# Altium PCB BE200.PcbDoc (part 4 of 6)
Units mm, origin at the board's own origin, x right, y up, seen from the top; angles counter-clockwise.
Board outline 91.25 x 134.75 mm, 4 copper layers (Top Layer, Mid-Top Layer, Mid-Bottom Layer, Bottom Layer); 574 components, 120 nets, 2403 pads, 3712 vias.
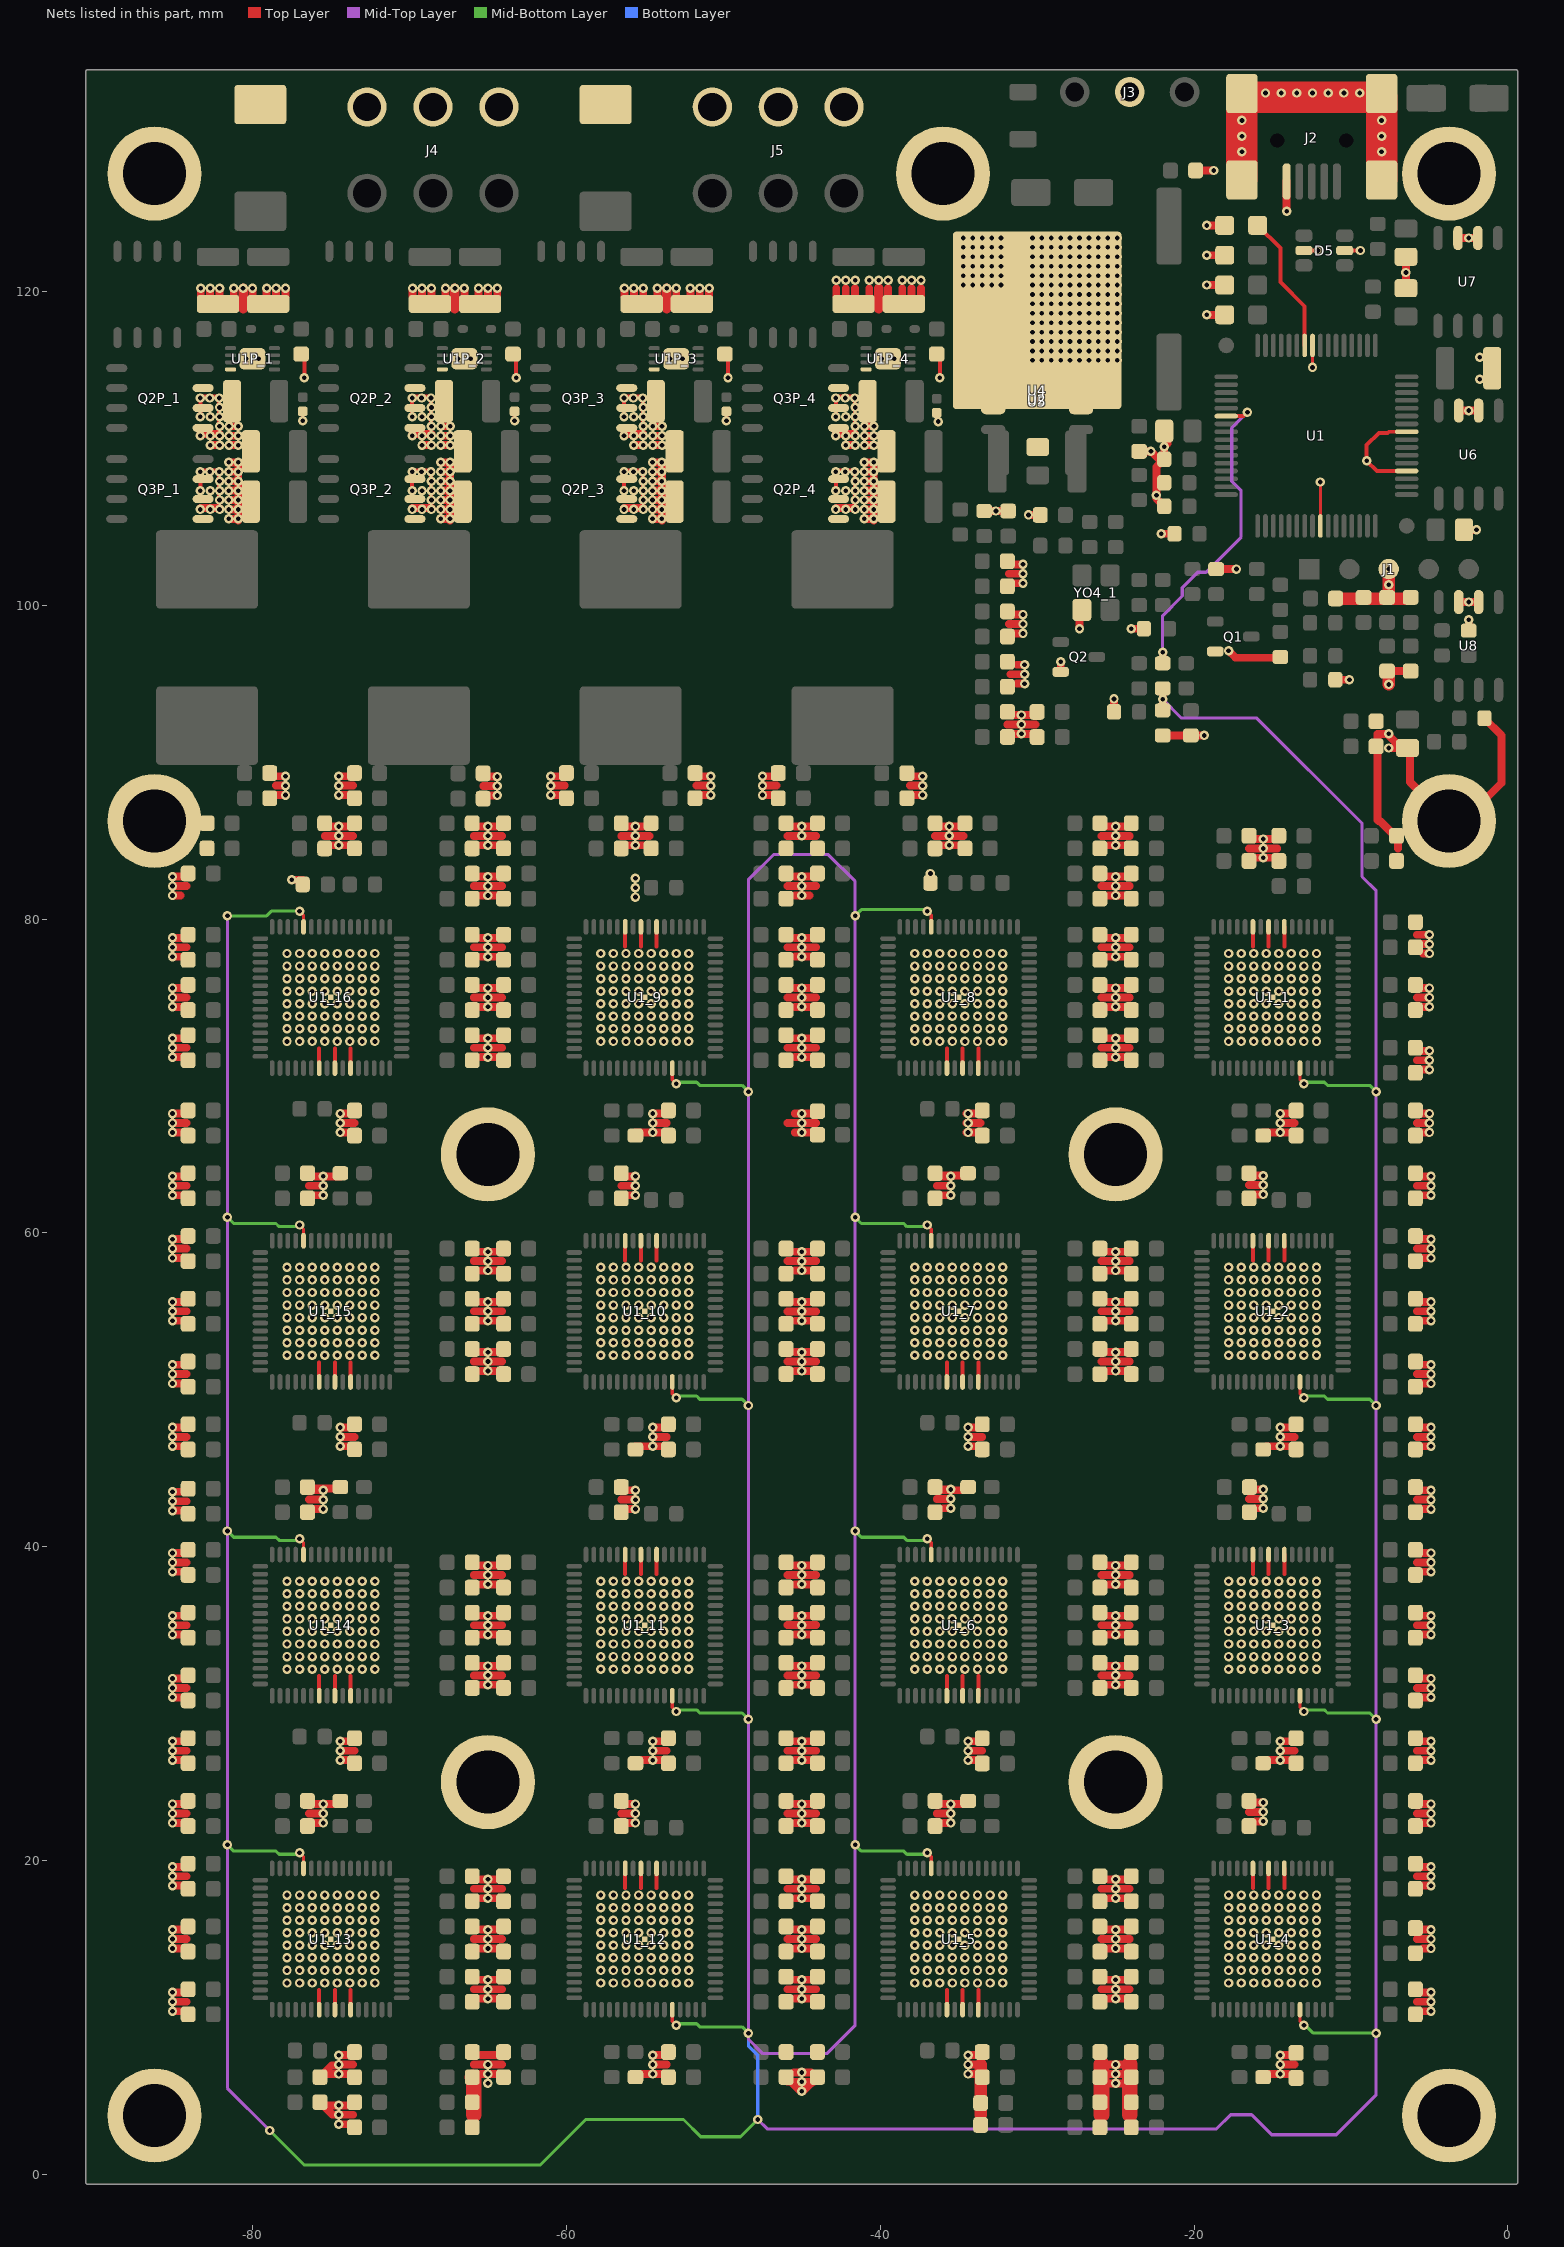
[diagram p6: the nets of this part, all layers, seen from the top]

## Via types
v1: diameter 0.6, hole 0.3, Top Layer to Bottom Layer, tented both sides, 3679 vias
v2: diameter 0.6/0.6/0.6/0.6 (per signal layer), hole 0.3, Top Layer to Bottom Layer, 33 vias

## Nets (pads, with @x,y where several pads share a name; then routed paths per layer and width w, separated by ;. In a path a pad name is that pad's centre, name@x,y a point inside that pad or via, vN(x,y) a via of type N, cw(c..) or ccw(c..) an arc to the next point about the centre after c; other vN are vias at no path point) (continued)
GND: C1.2 C1_1.1 C1_2.1 C1_3.1 C1_4.1 C1_5.1 C1_6.1 C1_7.1 C1_8.1 C1_9.1 C1_10.1 C1_11.1 C1_12.1 C1_13.1 C1_14.1 C1_15.1 C1_16.1 C1P_1.1 C1P_2.1 C1P_3.1 C1P_4.1 C2.2 C2_1.1 C2_2.1 C2_3.1 C2_4.1 C2_5.1 C2_6.1 C2_7.1 C2_8.1 C2_9.1 C2_10.1 C2_11.1 C2_12.1 C2_13.1 C2_14.1 C2_15.1 C2_16.1 C2P_1.2 C2P_2.2 C2P_3.2 C2P_4.2 C3.2 C3_1.1 C3_2.1 C3_3.1 C3_4.1 C3_5.1 C3_6.1 C3_7.1 C3_8.1 C3_9.1 C3_10.1 C3_11.1 C3_12.1 C3_13.1 C3_14.1 C3_15.1 C3_16.1 C4.2 C4_1.1 C4_2.1 C4_3.1 C4_4.1 C4_5.1 C4_6.1 C4_7.1 C4_8.1 C4_9.1 C4_10.1 C4_11.1 C4_12.1 C4_13.1 C4_14.1 C4_15.1 C4_16.1 C4P_1.2 C4P_2.2 C4P_3.2 C4P_4.2 C5_1.1 C5_2.1 C5_3.1 C5_4.1 C5_5.1 C5_6.1 C5_7.1 C5_8.1 C5_9.1 C5_10.1 C5_11.1 C5_12.1 C5_13.1 C5_14.1 C5_15.1 C5_16.1 C5P_1.2 C5P_2.2 C5P_3.2 C5P_4.2 C6_1.1 C6_2.1 C6_3.1 C6_4.1 C6_5.1 C6_6.1 C6_7.1 C6_8.1 C6_9.1 C6_10.1 C6_11.1 C6_12.1 C6_13.1 C6_14.1 C6_15.1 C6_16.1 C6P_1.2 C6P_2.2 C6P_3.2 C6P_4.2 C7.2 C7_1.1 C7_2.1 C7_3.1 C7_4.1 C7_5.1 C7_6.1 C7_7.1 C7_8.1 C7_9.1 C7_10.1 C7_11.1 C7_12.1 C7_13.1 C7_14.1 C7_15.1 C7_16.1 C7P_1.2 C7P_2.2 C7P_3.2 C7P_4.2 C8.2 C8_1.1 C8_2.1 C8_3.1 C8_4.1 C8_5.1 C8_6.1 C8_7.1 C8_8.1 C8_9.1 C8_10.1 C8_11.1 C8_12.1 C8_13.1 C8_14.1 C8_15.1 C8_16.1 C8P_1.2 C8P_2.2 C8P_3.2 C8P_4.2 C9.2 C9_1.1 C9_2.1 C9_3.1 C9_4.1 C9_5.1 C9_6.1 C9_7.1 C9_8.1 C9_9.1 C9_10.1 C9_11.1 C9_12.1 C9_13.1 C9_14.1 C9_15.1 C9_16.1 C10.2 C10_1.1 C10_2.1 C10_3.1 C10_4.1 C10_5.1 C10_6.1 C10_7.1 C10_8.1 C10_9.1 C10_10.1 C10_11.1 C10_12.1 C10_13.1 C10_14.1 C10_15.1 C10_16.1 C11.2 C11_1.1 C11_2.1 C11_3.1 C11_4.1 C11_5.1 C11_6.1 C11_7.1 C11_8.1 C11_9.1 C11_10.1 C11_11.1 C11_12.1 C11_13.1 C11_14.1 C11_15.1 C11_16.1 C12.2 C12_1.1 C12_2.1 C12_3.1 C12_4.1 C12_5.1 C12_6.1 C12_7.1 C12_8.1 C12_9.1 C12_10.1 C12_11.1 C12_12.1 C12_13.1 C12_14.1 C12_15.1 C12_16.1 C13.2 C13_1.1 C13_2.1 C13_3.1 C13_4.1 C13_5.1 C13_6.1 C13_7.1 C13_8.1 C13_9.1 C13_10.1 C13_11.1 C13_12.1 C13_13.1 C13_14.1 C13_15.1 C13_16.1 C14.2 C14_1.1 C14_2.1 C14_3.1 C14_4.1 C14_5.1 C14_6.1 C14_7.1 C14_8.1 C14_9.1 C14_10.1 C14_11.1 C14_12.1 C14_13.1 C14_14.1 C14_15.1 C14_16.1 C15.2 C15_1.1 C15_2.1 C15_3.1 C15_4.1 C15_5.1 C15_6.1 C15_7.1 C15_8.1 C15_9.1 C15_10.1 C15_11.1 C15_12.1 C15_13.1 C15_14.1 C15_15.1 C15_16.1 C16.2 C16_1.1 C16_2.1 C16_3.1 C16_4.1 C16_5.1 C16_6.1 C16_7.1 C16_8.1 C16_9.1 C16_10.1 C16_11.1 C16_12.1 C16_13.1 C16_14.1 C16_15.1 C16_16.1 C17.2 C25.1 C26.2 CPP_1.1 CPP_2.1 CPP_3.1 CPP_4.1 CPP_5.1 CPP_6.1 CPP_7.1 CPP_8.1 CPP_9.1 CPP_10.1 CPP_11.1 CPP_12.1 CPP_13.1 CPP_14.1 CPP_15.1 CPP_16.1 CPP_17.1 CPP_18.1 CPP_19.1 CPP_20.1 CPP_21.1 CPP_22.1 CPP_23.1 CPP_24.1 CPP_25.1 CPP_26.1 CPP_27.1 CPP_28.1 CPP_29.1 CPP_30.1 CPP_31.1 CPP_32.1 CPP_33.1 CPP_34.1 CPP_35.1 CPP_36.1 CPP_37.1 CPP_38.1 CPP_39.1 CPP_40.1 CPP_41.1 CPP_42.1 CPP_43.1 CPP_44.1 CPP_45.1 CPP_46.1 CPP_47.1 CPP_48.1 CPP_49.1 CPP_50.1 CPP_51.1 CPP_52.1 CPP_53.1 CPP_54.1 CPP_55.1 CPP_56.1 CPP_57.1 CPP_58.1 CPP_59.1 CPP_60.1 CPP_61.1 CPP_62.1 CPP_63.1 CPP_64.1 CPP_65.1 CPP_66.1 CPP_67.1 CPP_68.1 CPP_69.1 CPP_70.1 CPP_71.1 CPP_72.1 CPP_73.1 CPP_74.1 CPP_75.1 CPP_76.1 CPP_77.1 CPP_78.1 CPP_79.1 CPP_80.1 CPP_81.1 CPP_82.1 CPP_83.1 CPP_84.1 CPP_85.1 CPP_86.1 CPP_87.1 CPP_88.1 CPP_89.1 CPP_90.1 CPP_91.1 CPP_92.1 CPP_93.1 CPP_94.1 CPP_95.1 CPP_96.1 CPP_97.1 CPP_98.1 CPP_99.1 CPP_100.1 CPP_101.1 CPP_102.1 CPP_103.1 CPP_104.1 CPP_105.1 CPP_106.1 CPP_107.1 CPP_108.1 CPP_109.1 CPP_110.1 CPP_111.1 CPP_112.1 CPP_113.1 CPP_114.1 CPP_115.1 CPP_116.1 CPP_117.1 CPP_118.1 CPP_119.1 CPP_120.1 D1.1 D2.1 D3.1 D4.1 D5.2 D5.5 D6.2 D10.2 J1.3 J2.5 J2.6 J2.7 J2.8 J2.9 J3.2 J4.4 J4.5 J4.6 J5.4 J5.5 J5.6 pad.0 Q1.2 Q2.2 Q2P_1.1 Q2P_1.2 Q2P_1.3 Q2P_2.1 Q2P_2.2 Q2P_2.3 Q2P_3.1 Q2P_3.2 Q2P_3.3 Q2P_4.1 Q2P_4.2 Q2P_4.3 Q3P_1.1 Q3P_1.2 Q3P_1.3 Q3P_2.1 Q3P_2.2 Q3P_2.3 Q3P_3.1 Q3P_3.2 Q3P_3.3 Q3P_4.1 Q3P_4.2 Q3P_4.3 R4.1 R6.1 R8.2 R9.2 R10.2 R11.2 R12.1 R13.1 R16.1 R17.1 R27.1 R31.1 R32.1 R34.1 R36.1 R38.1 R40.1 R42.1 R44.1 R46.1 R48.1 R50.1 R52.1 R54.1 R56.1 R58.1 R60.1 R62.1 R64.1 R66.1 U1.9 U1.20 U1.25 U1.41 U1_1.7 U1_1.9 U1_1.11 U1_1.65 U1_2.7 U1_2.9 U1_2.11 U1_2.65 U1_3.7 U1_3.9 U1_3.11 U1_3.65 U1_4.7 U1_4.9 U1_4.11 U1_4.65 U1_5.7 U1_5.9 U1_5.11 U1_5.65 U1_6.7 U1_6.9 U1_6.11 U1_6.65 U1_7.7 U1_7.9 U1_7.11 U1_7.65 U1_8.7 U1_8.9 U1_8.11 U1_8.65 U1_9.7 U1_9.9 U1_9.11 U1_9.65 U1_10.7 U1_10.9 U1_10.11 U1_10.65 U1_11.7 U1_11.9 U1_11.11 U1_11.65 U1_12.7 U1_12.9 U1_12.11 U1_12.65 U1_13.7 U1_13.9 U1_13.11 U1_13.65 U1_14.7 U1_14.9 U1_14.11 U1_14.65 U1_15.7 U1_15.9 U1_15.11 U1_15.65 U1_16.7 U1_16.9 U1_16.11 U1_16.65 U1P_1.4 U1P_1.9 U1P_2.4 U1P_2.9 U1P_3.4 U1P_3.9 U1P_4.4 U1P_4.9 U2.2 U2.3 U2.4 U2.5 U2.6 U2.7 U4.2 U5.2 U6.6 U6.7 U7.6 U7.7 U8.6 U8.7 YO4_1.2 | length 787.8
  Top Layer w0.2: v1@-12.5,115.1 v1(-12.45,115.15) U1.41@-12.45,116.55 ; U1.9@-11.95,105.05 v1(-11.95,107.85)
  Top Layer w0.25: v1(-83.325,107.3) -83.325,108.6 -82.125,108.6 v1@-82.125,106.7 ; v1(-83.325,112) -83.325,113.3 -82.125,113.3 v1@-82.125,111.4 ; C1P_1.1@-76.9,116 -76.7,115.8 v2(-76.7,114.5) ; v2(-76.8,111.75) C2P_1.2@-76.8,112.35 ; U1_13.7@-75.75,10.5 -75.75,11.75 ; U1_14.7@-75.75,30.5 -75.75,31.75 ; U1_15.7@-75.75,50.5 -75.75,51.75 ; U1_16.7@-75.75,70.5 -75.75,71.75 ; U1_13.9@-74.75,10.5 -74.75,11.75 ; U1_14.9@-74.75,30.5 -74.75,31.75 ; U1_15.9@-74.75,50.5 -74.75,51.75 ; U1_16.9@-74.75,70.5 -74.75,71.75 ; U1_13.11@-73.75,10.5 -73.75,11.75 ; U1_14.11@-73.75,30.5 -73.75,31.75 ; U1_15.11@-73.75,50.5 -73.75,51.75 ; U1_16.11@-73.75,70.5 -73.75,71.75 ; v1(-69.825,107.3) -69.825,108.6 -68.625,108.6 v1@-68.625,106.7 ; v1(-69.825,112) -69.825,113.3 -68.625,113.3 v1@-68.625,111.4 ; C1P_2.1@-63.4,116 -63.2,115.8 v2(-63.2,114.5) ; v2(-63.3,111.75) C2P_2.2@-63.3,112.35 ; v1(-56.325,107.3) -56.325,108.6 -55.125,108.6 v1@-55.125,106.7 ; v1(-56.325,112) -56.325,113.3 -55.125,113.3 v1@-55.125,111.4 ; -56.25,18.25 U1_12.11@-56.25,19.5 ; -56.25,38.25 U1_11.11@-56.25,39.5 ; -56.25,58.25 U1_10.11@-56.25,59.5 ; -56.25,78.25 U1_9.11@-56.25,79.5 ; -55.25,18.25 U1_12.9@-55.25,19.5 ; -55.25,38.25 U1_11.9@-55.25,39.5 ; -55.25,58.25 U1_10.9@-55.25,59.5 ; -55.25,78.25 U1_9.9@-55.25,79.5 ; -54.25,18.25 U1_12.7@-54.25,19.5 ; -54.25,38.25 U1_11.7@-54.25,39.5 ; -54.25,58.25 U1_10.7@-54.25,59.5 ; -54.25,78.25 U1_9.7@-54.25,79.5 ; C1P_3.1@-49.9,116 -49.7,115.8 v2(-49.7,114.5) ; v2(-49.8,111.75) C2P_3.2@-49.8,112.35 ; v1(-42.825,107.3) -42.825,108.6 -41.625,108.6 v1@-41.625,106.7 ; v1(-42.825,112) -42.825,113.3 -41.625,113.3 v1@-41.625,111.4 ; C1P_4.1@-36.4,116 -36.2,115.8 v2(-36.2,114.5) ; v2(-36.3,111.7) C2P_4.2@-36.3,112.35 ; U1_5.7@-35.75,10.5 -35.75,11.75 ; U1_6.7@-35.75,30.5 -35.75,31.75 ; U1_7.7@-35.75,50.5 -35.75,51.75 ; U1_8.7@-35.75,70.5 -35.75,71.75 ; U1_5.9@-34.75,10.5 -34.75,11.75 ; U1_6.9@-34.75,30.5 -34.75,31.75 ; U1_7.9@-34.75,50.5 -34.75,51.75 ; U1_8.9@-34.75,70.5 -34.75,71.75 ; U1_5.11@-33.75,10.5 -33.75,11.75 ; U1_6.11@-33.75,30.5 -33.75,31.75 ; U1_7.11@-33.75,50.5 -33.75,51.75 ; U1_8.11@-33.75,70.5 -33.75,71.75 ; -16.25,18.25 U1_4.11@-16.25,19.5 ; -16.25,38.25 U1_3.11@-16.25,39.5 ; -16.25,58.25 U1_2.11@-16.25,59.5 ; -16.25,78.25 U1_1.11@-16.25,79.5 ; -15.25,18.25 U1_4.9@-15.25,19.5 ; -15.25,38.25 U1_3.9@-15.25,39.5 ; -15.25,58.25 U1_2.9@-15.25,59.5 ; -15.25,78.25 U1_1.9@-15.25,79.5 ; -14.25,18.25 U1_4.7@-14.25,19.5 ; -14.25,38.25 U1_3.7@-14.25,39.5 ; -14.25,58.25 U1_2.7@-14.25,59.5 ; -14.25,78.25 U1_1.7@-14.25,79.5 ; D5.2@-13,122.6 v1(-12.1,122.6) ; D5.5@-10.4,122.6 v1(-9.4,122.6) ; U1.20@-6.45,108.55 -8.35,108.55 v1(-9,109.2) -9,110.2 -8.225,110.975 -7.662,110.975 -7.587,111.05 U1.25@-6.45,111.05